# Altium PCB PCB_ovladaci_karta.PcbDoc (part 1 of 4) (continued)
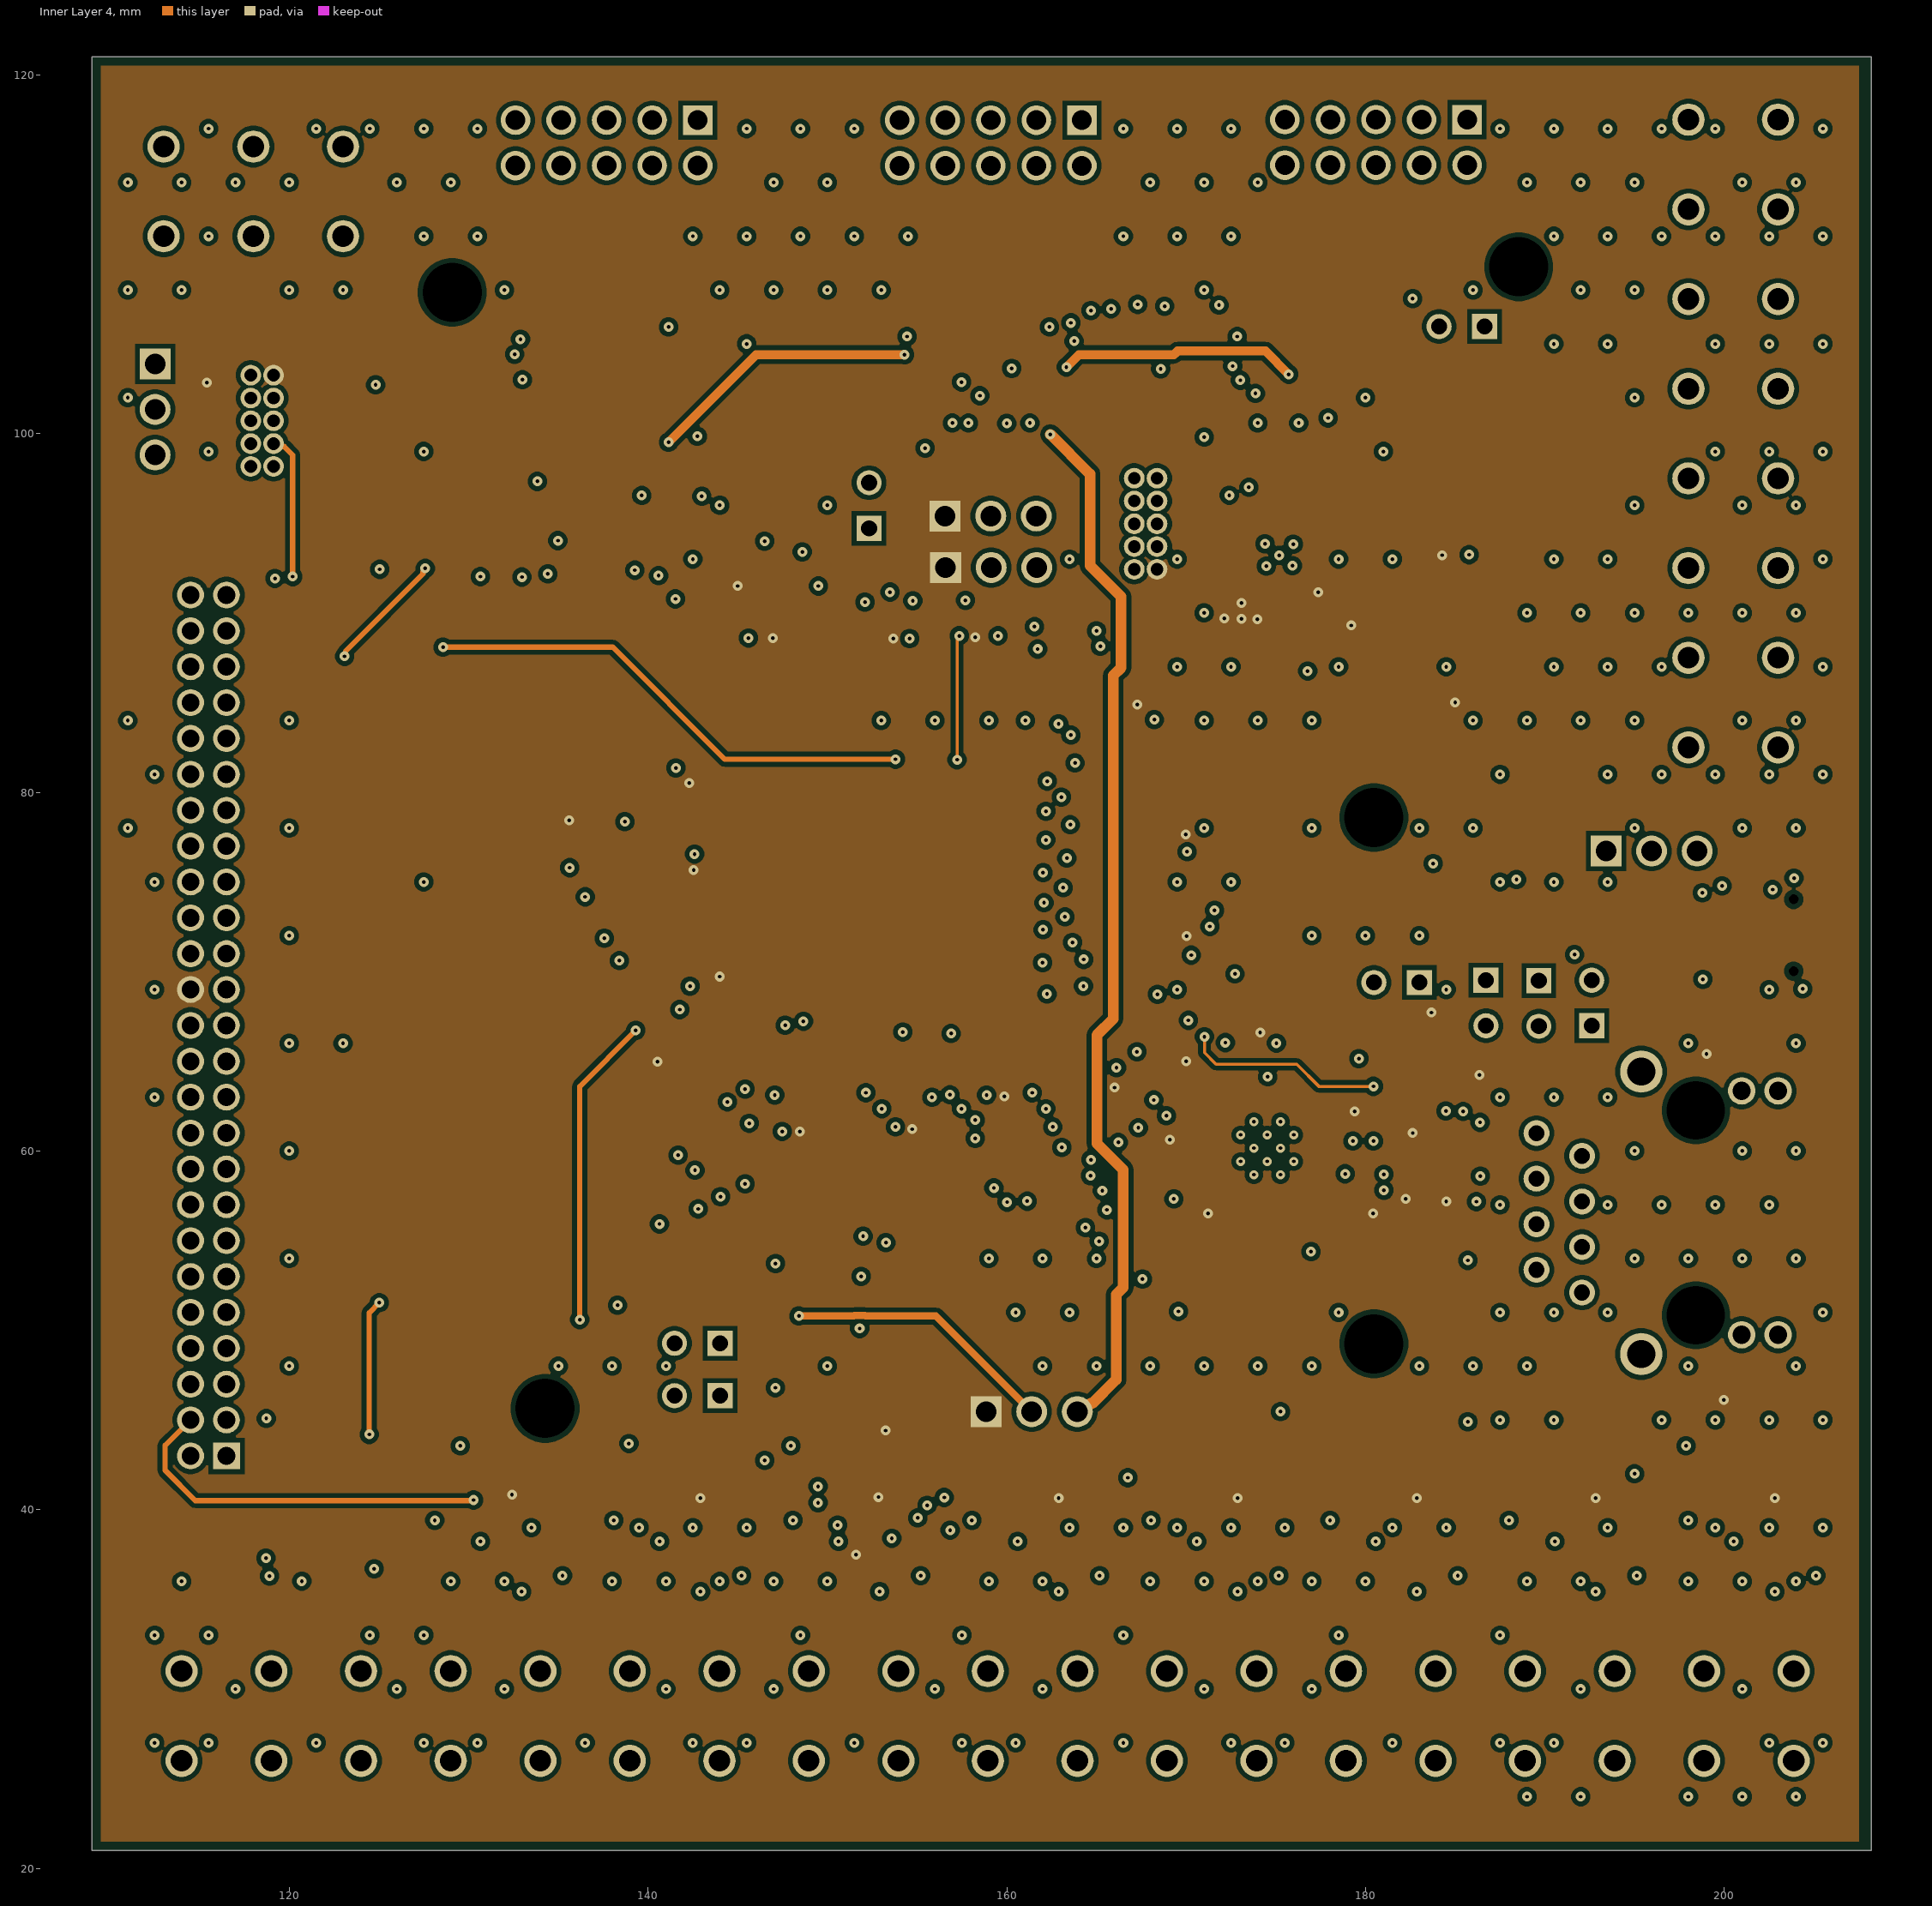
[diagram p4: Inner Layer 4]
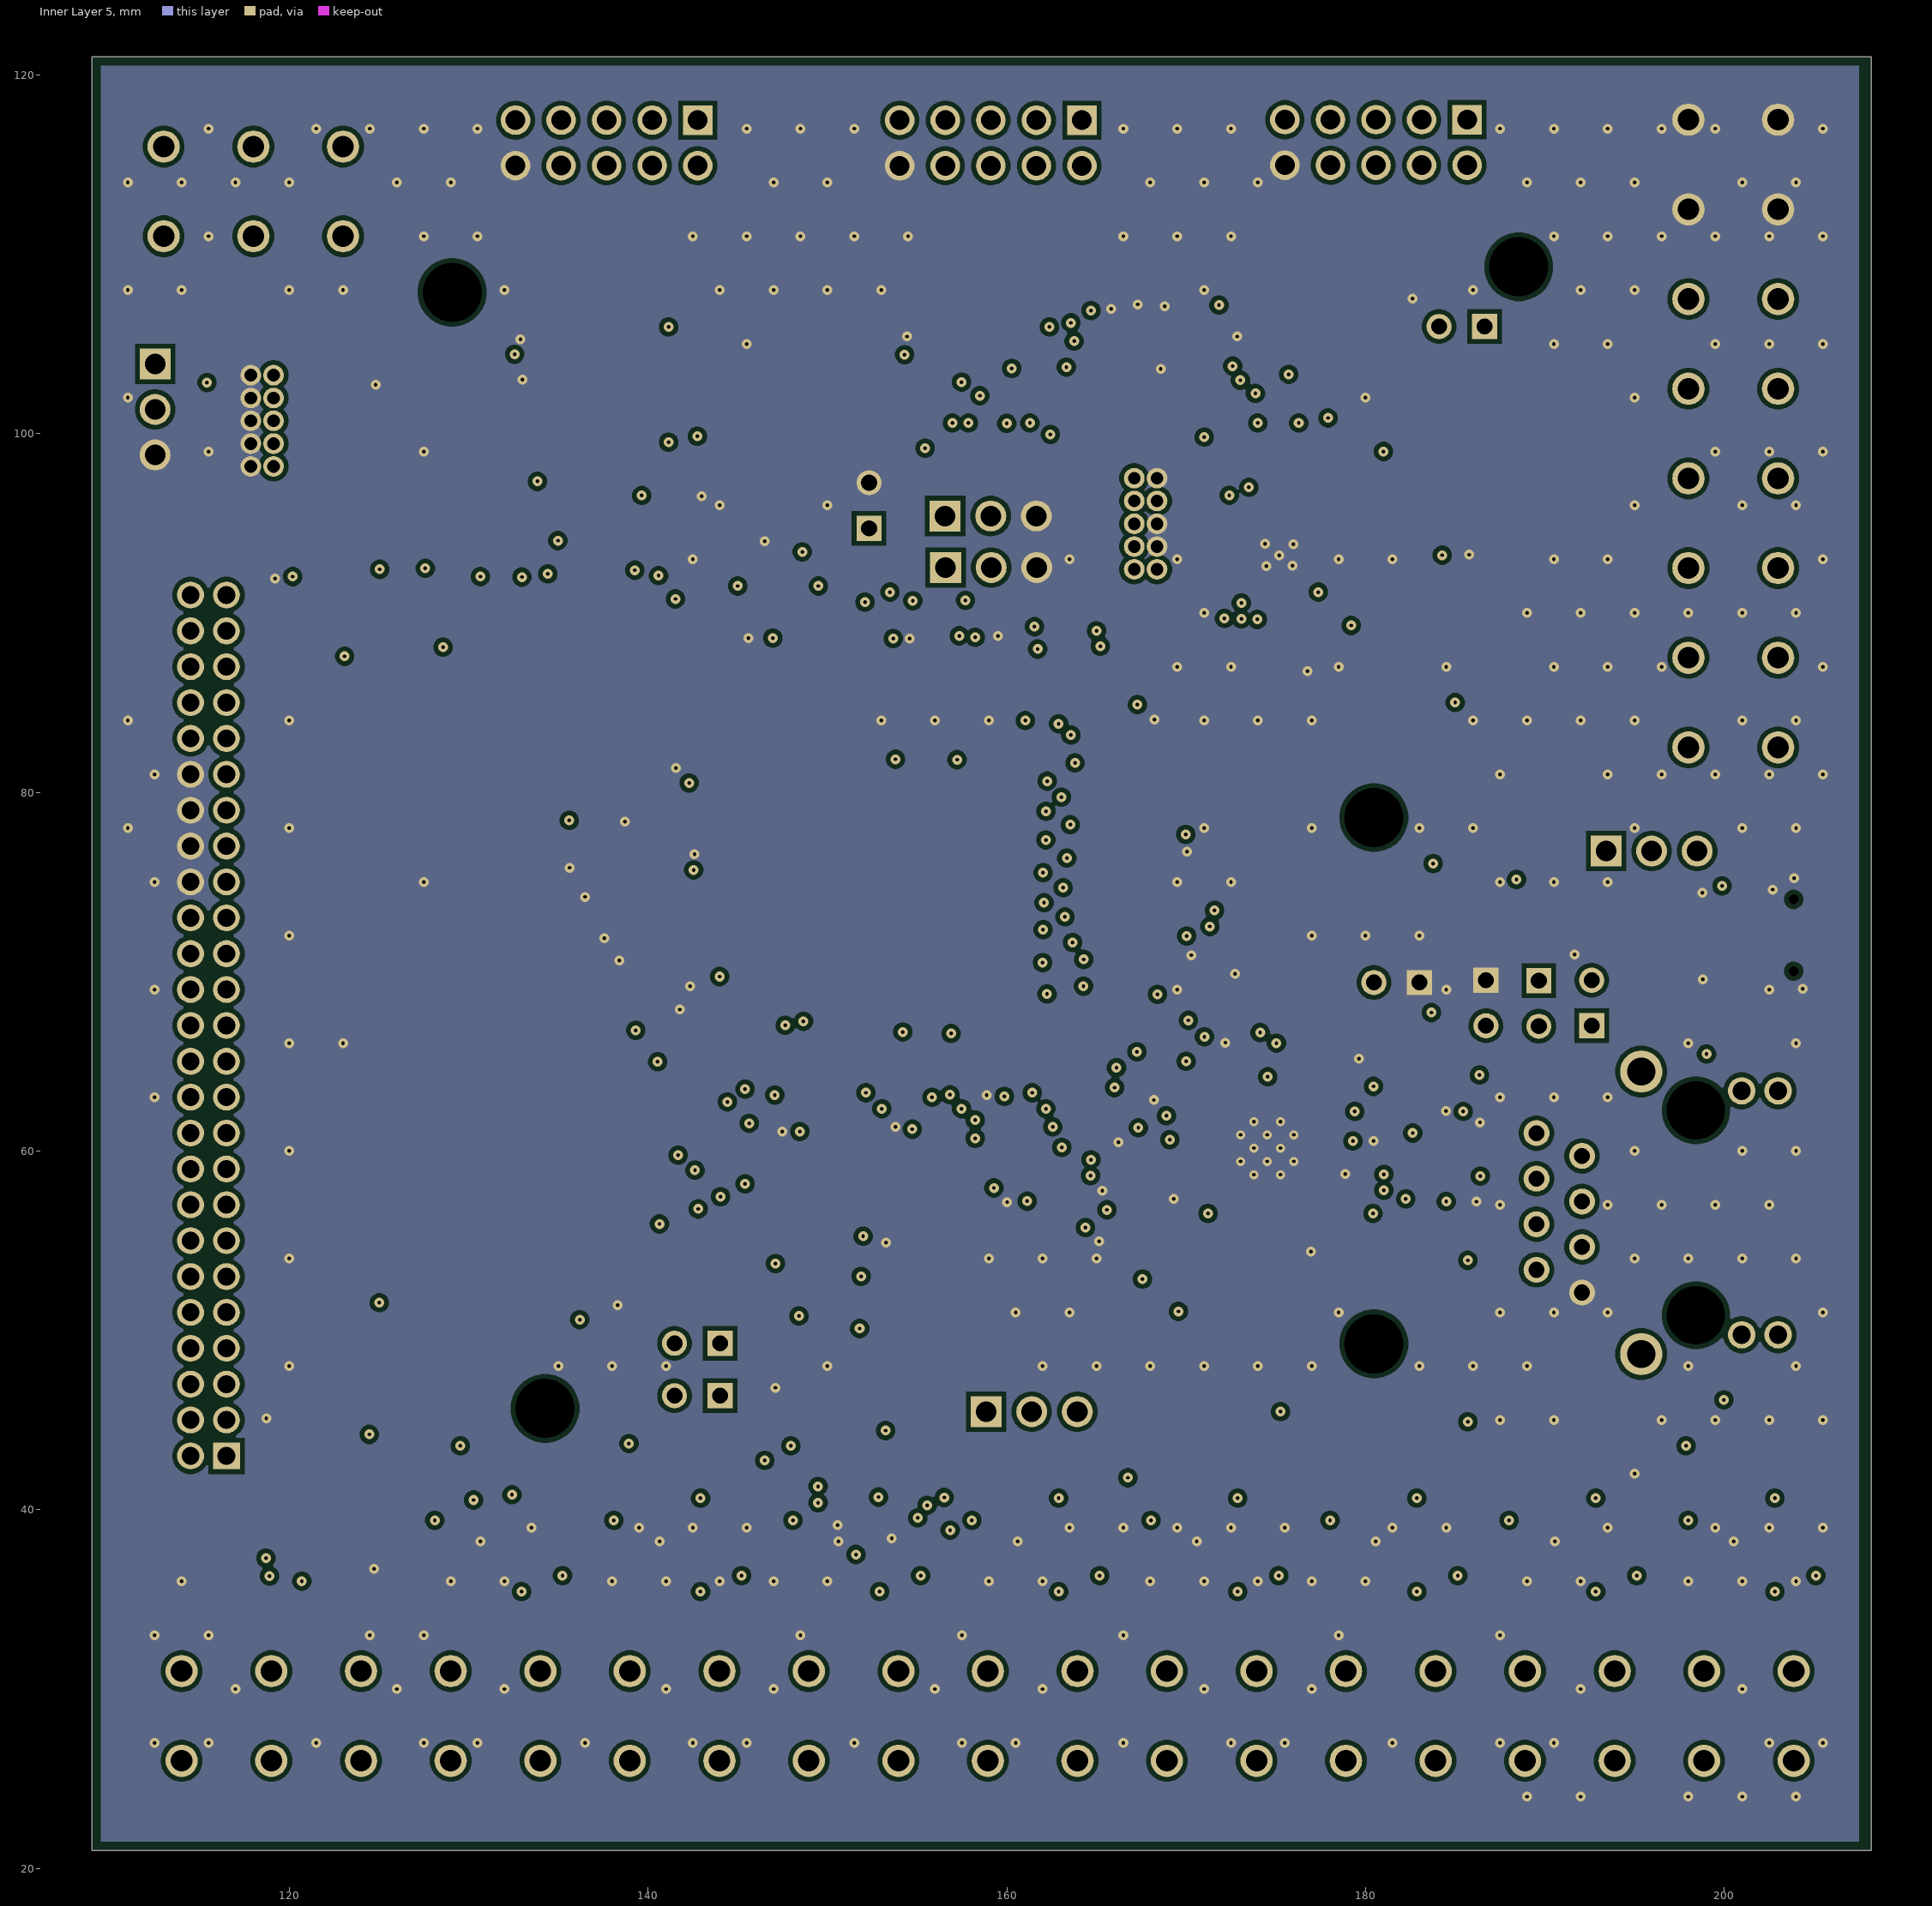
[diagram p5: Inner Layer 5]
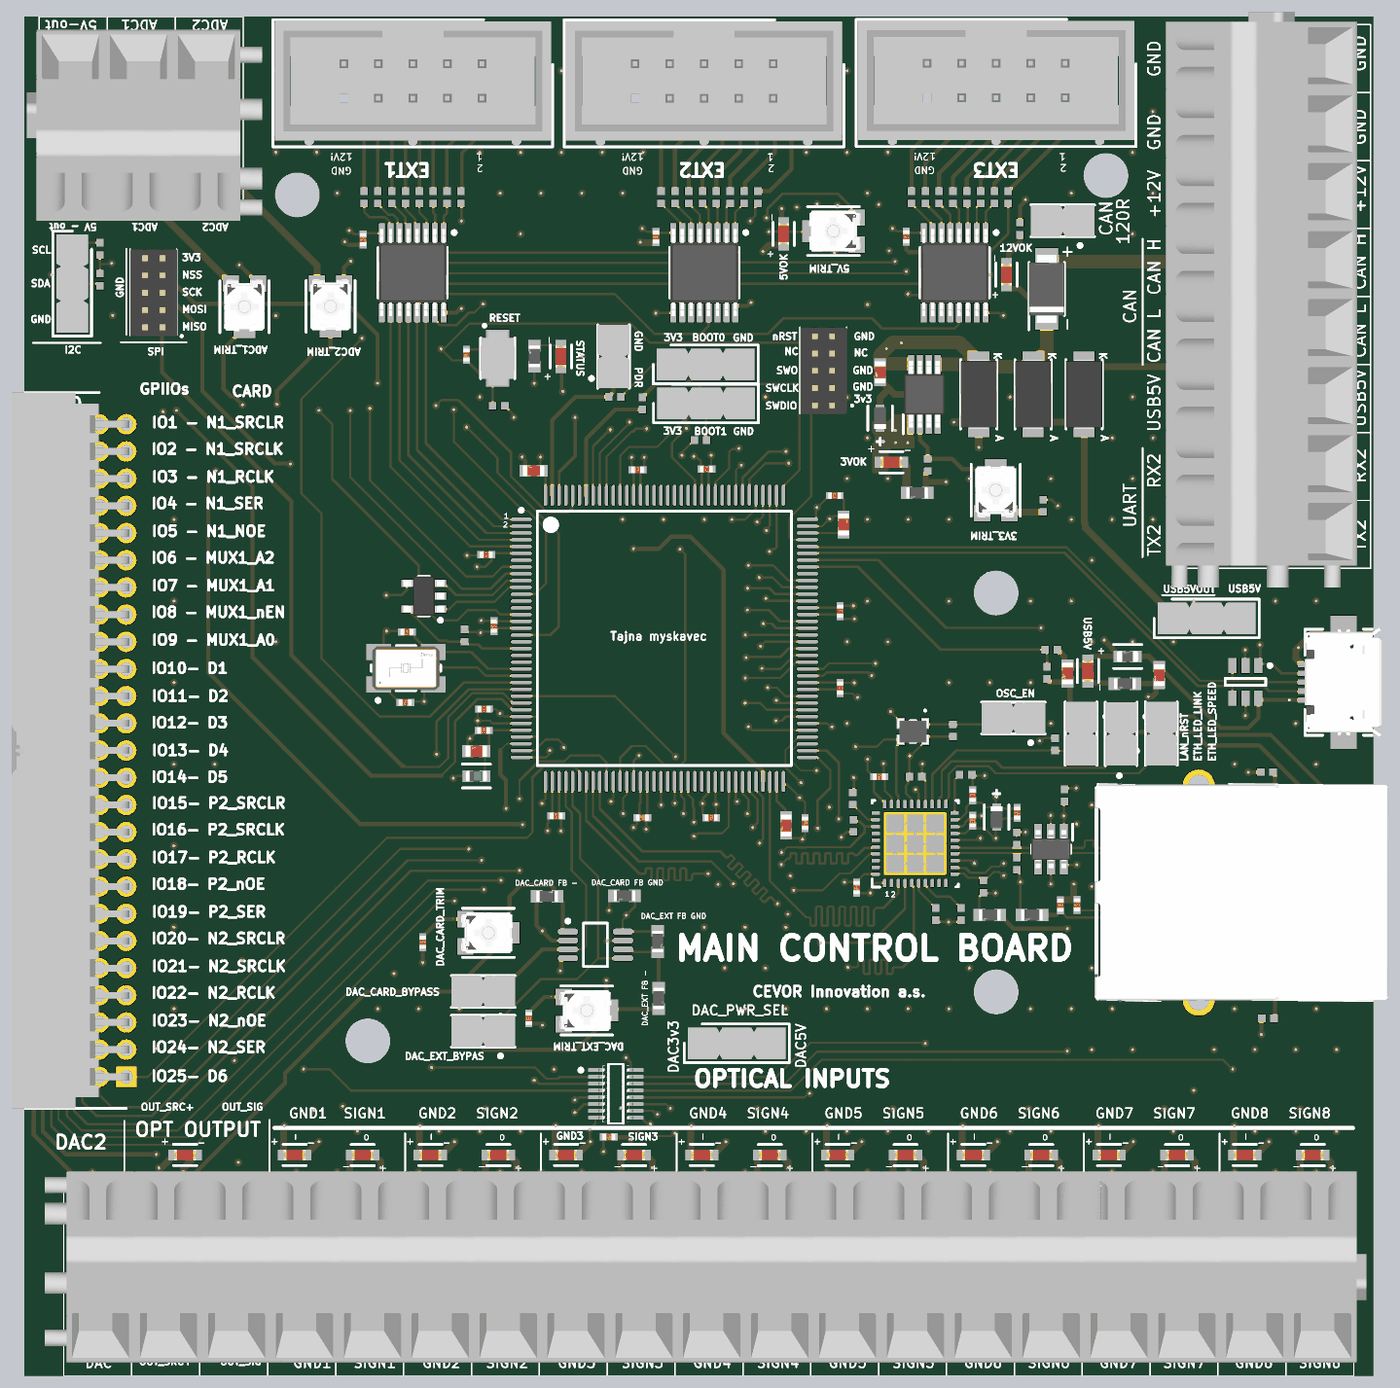
[diagram p9: 3D render of the assembled board from above, using the file's embedded part models]
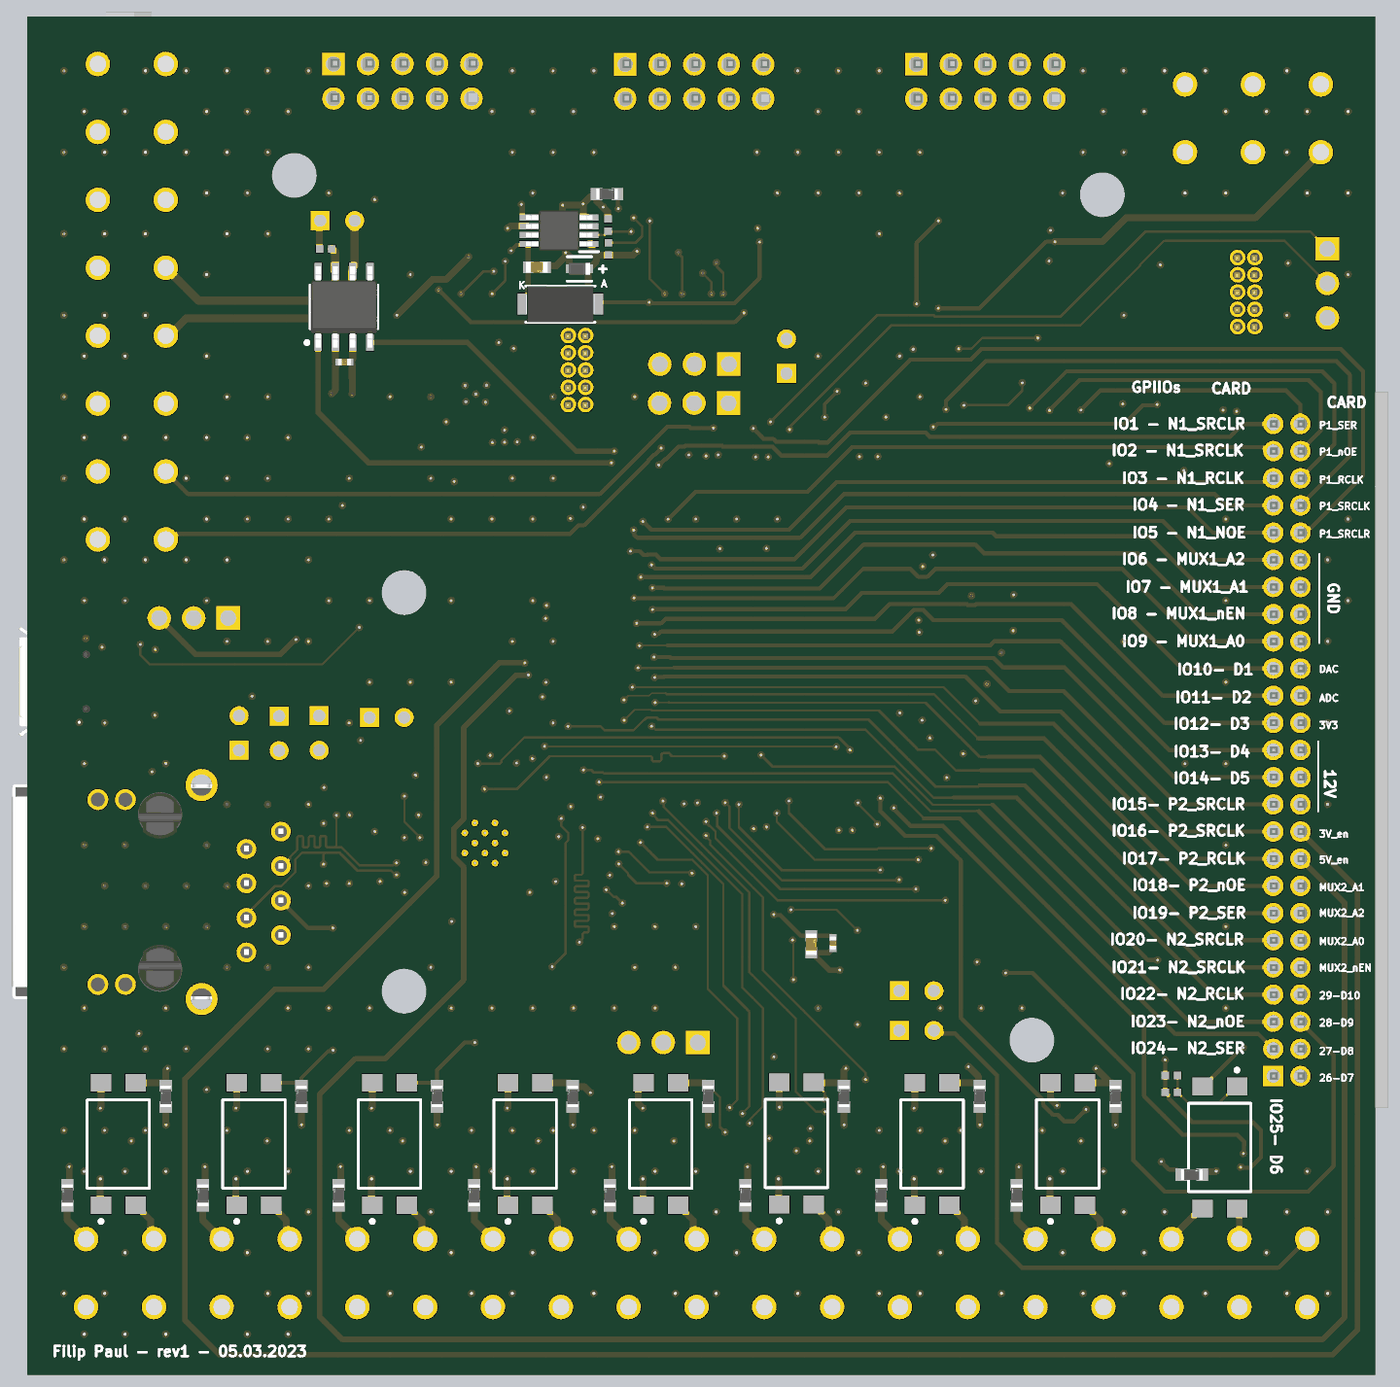
[diagram p10: 3D render of the assembled board from below, using the file's embedded part models]

## Layer stack, top to bottom
Top Solder: solder mask 0.0203, Solder Resist, Dk 3.8
Top Layer: signal copper 0.035
Dielectric 2: prepreg 0.0994, JLC3313, Dk 4.05
Inner Layer 2(GND): signal copper 0.0175
Dielectric 3: prepreg 0.55, JLCcore, Dk 4.6
Inner Layer 3: signal copper 0.0175
Dielectric 1: dielectric 0.1088, LC2116, Dk 4.25
Inner Layer 4: signal copper 0.0175
Dielectric 4: prepreg 0.55, JLCcore, Dk 4.6
Inner Layer 5: signal copper 0.0175
Dielectric 5: prepreg 0.0994, JLC3313, Dk 4.05
Bottom Layer 1: signal copper 0.035
Bottom Solder: solder mask 0.0203, Solder Resist, Dk 3.8

## Board outline
109,21 208.2,21 208.2,121 109,121

## Design rules (kind name [scope] priority, off if disabled: settings)
BoardOutlineClearance [All] p1: gap=0 ignorepadtopadclearanceinfootprint=FALSE
Clearance [All] p1: gap=0.254 ignorepadtopadclearanceinfootprint=TRUE except(0: Fill-Hole Poly-Hole Region-Hole Text-Hole; 0.127: Arc-Arc Arc-Track Arc-SMDPad Track-Track Track-SMDPad SMDPad-SMDPad; 0.5: SMDPad-Hole THPad-THPad THPad-Hole Via-Hole)
ComponentClearance [All] p1: gap=0 collisioncheckmode=3 verticalgap=0 showdistances=FALSE
DiffPairsRouting ETHERNETTD [InDifferentialPair('TD')] p1: maxlimit=1 minlimit=0.127 mostfreqgap=0.127 toplayer_mingap=1 toplayer_prefgap=1 toplayer_minwidth=0.17 toplayer_maxwidth=0.17 toplayer_prefwidth=0.17 midlayer1_maxgap=0.127 midlayer1_minwidth=0.078 midlayer1_maxwidth=0.078 midlayer1_prefwidth=0.078 midlayer2_maxgap=0.127 midlayer2_minwidth=0.078 midlayer2_maxwidth=0.078 midlayer2_prefwidth=0.078 midlayer3_maxgap=0.127 midlayer3_minwidth=0.078 midlayer3_maxwidth=0.078 midlayer3_prefwidth=0.078 midlayer4_maxgap=0.127 midlayer4_minwidth=0.078 midlayer4_maxwidth=0.078 midlayer4_prefwidth=0.078 bottomlayer_mingap=1 bottomlayer_prefgap=1 bottomlayer_minwidth=0.17 bottomlayer_maxwidth=0.17 bottomlayer_prefwidth=0.17 impedanceprofiledriven=TRUE impedanceprofileid={FF4A4836-3818-4928-B598-F4C10E2BB0FD} impedanceprofilevalue=100.000000 maxuncoupledlength=12.7
DiffPairsRouting ETHERNETRD [InDifferentialPair('RD')] p2: maxlimit=1 minlimit=0.127 mostfreqgap=0.127 toplayer_mingap=1 toplayer_prefgap=1 toplayer_minwidth=0.17 toplayer_maxwidth=0.17 toplayer_prefwidth=0.17 midlayer1_maxgap=0.127 midlayer1_minwidth=0.078 midlayer1_maxwidth=0.078 midlayer1_prefwidth=0.078 midlayer2_maxgap=0.127 midlayer2_minwidth=0.078 midlayer2_maxwidth=0.078 midlayer2_prefwidth=0.078 midlayer3_maxgap=0.127 midlayer3_minwidth=0.078 midlayer3_maxwidth=0.078 midlayer3_prefwidth=0.078 midlayer4_maxgap=0.127 midlayer4_minwidth=0.078 midlayer4_maxwidth=0.078 midlayer4_prefwidth=0.078 bottomlayer_mingap=1 bottomlayer_prefgap=1 bottomlayer_minwidth=0.17 bottomlayer_maxwidth=0.17 bottomlayer_prefwidth=0.17 impedanceprofiledriven=TRUE impedanceprofileid={FF4A4836-3818-4928-B598-F4C10E2BB0FD} impedanceprofilevalue=100.000000 maxuncoupledlength=12.7
DiffPairsRouting "USB DIFF PAIR" [InDifferentialPair('USB_D')] p3: maxlimit=0.22 minlimit=0.127 mostfreqgap=0.127 toplayer_mingap=0.22 toplayer_prefgap=0.22 toplayer_minwidth=0.17 toplayer_maxwidth=0.17 toplayer_prefwidth=0.17 midlayer1_maxgap=0.127 midlayer1_minwidth=0.105 midlayer1_maxwidth=0.105 midlayer1_prefwidth=0.105 midlayer2_maxgap=0.127 midlayer2_minwidth=0.105 midlayer2_maxwidth=0.105 midlayer2_prefwidth=0.105 midlayer3_maxgap=0.127 midlayer3_minwidth=0.105 midlayer3_maxwidth=0.105 midlayer3_prefwidth=0.105 midlayer4_maxgap=0.127 midlayer4_minwidth=0.105 midlayer4_maxwidth=0.105 midlayer4_prefwidth=0.105 bottomlayer_mingap=0.22 bottomlayer_prefgap=0.22 bottomlayer_minwidth=0.17 bottomlayer_maxwidth=0.17 bottomlayer_prefwidth=0.17 impedanceprofiledriven=TRUE impedanceprofileid={13D230F1-90EF-4B1E-ACF2-F4C1FEA857B8} impedanceprofilevalue=90.000000 maxuncoupledlength=12.7
HoleSize [All] p1: absolutevalues=TRUE maxlimit=6.3 minlimit=0.2 maxpercent=80.000 minpercent=20.000
HoleToHoleClearance [All] p1: gap=0.5 allowstackedmicrovias=TRUE
MinimumAnnularRing [All] p1: minimumring=0.13
MinimumSolderMaskSliver [All] p1: minsoldermaskwidth=0
PlaneClearance [All] p1: clearance=0.7
PolygonConnect [All] p1: connectstyle=Direct reliefconductorwidth=0.254 reliefentries=4 polygonreliefangle="90 Angle" airgapwidth=0.254
RoutingVias [All] p1: holewidth=0.22 width=0.45 viastyle="Through Hole" minholewidth=0.2 minwidth=0.4 maxholewidth=1.2 maxwidth=1.27
SilkToSilkClearance [All] p1: silktosilkclearance=0.05
SilkToSolderMaskClearance [IsPad] p1: minsilkscreentomaskgap=0 clearancetoexposedcopper=TRUE
SolderMaskExpansion [All] p1: expansion=0.06 istentingtop=FALSE
UnRoutedNet [All] p1: checkbadconnections=TRUE
Width [All] p1: maxlimit=20 minlimit=0.127 preferedwidth=0.254
21 further rules are at their usual default settings.

## Classes and differential pairs
differential pair class USB_DIFF: USB_D
component class U_USB: C37 C38 D6 D7 FB1 J6 R34 R35 R38
differential pair class ETH_TD_DIFF: TD
channel class PORT_SINGLE: U_PORT_SINGLE1 U_PORT_SINGLE2 U_PORT_SINGLE3
component class U_PORTS_DRIVER: C21 C22 C27 U9 U10 U11
component class U_PORT_SINGLE1: J15_U_PORT_SINGLE1 R15_U_PORT_SINGLE1 R16_U_PORT_SINGLE1 R17_U_PORT_SINGLE1 R24_U_PORT_SINGLE1 R26_U_PORT_SINGLE1 R37_U_PORT_SINGLE1 R39_U_PORT_SINGLE1 R40_U_PORT_SINGLE1
component class U_PORT_SINGLE3: J15_U_PORT_SINGLE3 R15_U_PORT_SINGLE3 R16_U_PORT_SINGLE3 R17_U_PORT_SINGLE3 R24_U_PORT_SINGLE3 R26_U_PORT_SINGLE3 R37_U_PORT_SINGLE3 R39_U_PORT_SINGLE3 R40_U_PORT_SINGLE3
component class U_PORT_SINGLE2: J15_U_PORT_SINGLE2 R15_U_PORT_SINGLE2 R16_U_PORT_SINGLE2 R17_U_PORT_SINGLE2 R24_U_PORT_SINGLE2 R26_U_PORT_SINGLE2 R37_U_PORT_SINGLE2 R39_U_PORT_SINGLE2 R40_U_PORT_SINGLE2
channel class Opto_inputs: U_Opto_inputs1 U_Opto_inputs2 U_Opto_inputs3 U_Opto_inputs4 U_Opto_inputs5 U_Opto_inputs6 U_Opto_inputs7 U_Opto_inputs8
component class U_Opto_outputs: D3 J9 J11 R7 R8 R9 U4
component class U_Opto_inputs8: D1_U_Opto_inputs8 D5_U_Opto_inputs8 J7_U_Opto_inputs8 J8_U_Opto_inputs8 R6_U_Opto_inputs8 R11_U_Opto_inputs8 U3_U_Opto_inputs8
component class U_Opto_inputs7: D1_U_Opto_inputs7 D5_U_Opto_inputs7 J7_U_Opto_inputs7 J8_U_Opto_inputs7 R6_U_Opto_inputs7 R11_U_Opto_inputs7 U3_U_Opto_inputs7
component class U_Opto_inputs6: D1_U_Opto_inputs6 D5_U_Opto_inputs6 J7_U_Opto_inputs6 J8_U_Opto_inputs6 R6_U_Opto_inputs6 R11_U_Opto_inputs6 U3_U_Opto_inputs6
component class U_Opto_inputs5: D1_U_Opto_inputs5 D5_U_Opto_inputs5 J7_U_Opto_inputs5 J8_U_Opto_inputs5 R6_U_Opto_inputs5 R11_U_Opto_inputs5 U3_U_Opto_inputs5
component class U_Opto_inputs4: D1_U_Opto_inputs4 D5_U_Opto_inputs4 J7_U_Opto_inputs4 J8_U_Opto_inputs4 R6_U_Opto_inputs4 R11_U_Opto_inputs4 U3_U_Opto_inputs4
component class U_Opto_inputs3: D1_U_Opto_inputs3 D5_U_Opto_inputs3 J7_U_Opto_inputs3 J8_U_Opto_inputs3 R6_U_Opto_inputs3 R11_U_Opto_inputs3 U3_U_Opto_inputs3
component class U_Opto_inputs2: D1_U_Opto_inputs2 D5_U_Opto_inputs2 J7_U_Opto_inputs2 J8_U_Opto_inputs2 R6_U_Opto_inputs2 R11_U_Opto_inputs2 U3_U_Opto_inputs2
component class U_Opto_inputs1: D1_U_Opto_inputs1 D5_U_Opto_inputs1 J7_U_Opto_inputs1 J8_U_Opto_inputs1 R6_U_Opto_inputs1 R11_U_Opto_inputs1 U3_U_Opto_inputs1
differential pair class ETH_RD_DIFF: RD
component class U_POWER: C23 C24 C25 C26 C28 C39 D2 D9 D11 D12 IC1 IC3 L1 R12 R13 R14 R43 R44 R45 VR2 VR6
component class U_Ethernet: C29 C30 C31 C32 C33 C34 C35 C36 J3 P4 P5 P6 P7 R5 R18 R19 R20 R21 R22 R23 R25 R27 R28 R29 R30 R31 R32 R46 R52 U2 U5 Y2
component class main_scheme: C1 C2 C3 C4 C5 C6 C7 C8 C9 C10 C11 C12 C13 C14 C15 C16 C17 C18 C19 C20 C40 C41 C42 C43 D4 D8 D10 D13 D14 J1 J2 J4 J5 J10 J12 J13 J14 J16 J17 J18 J19 J20 J21 J22 P1 P2 P3 P8 P9 P10 P11 P12 P13 R1 R2 R3 R4 R10 R33 R36 R41 R42 R47 R48 R49 R50 R51 S1 U1 U6 U7 U8 U12 VR1 VR3 VR4 VR5 Y1
differential pair USB_D: +USB_D_P -USB_D_N
differential pair TD: +TD_P -TD_N
differential pair RD: +RD_P -RD_N
